# KiCad board sbc.kicad_pcb (continued)
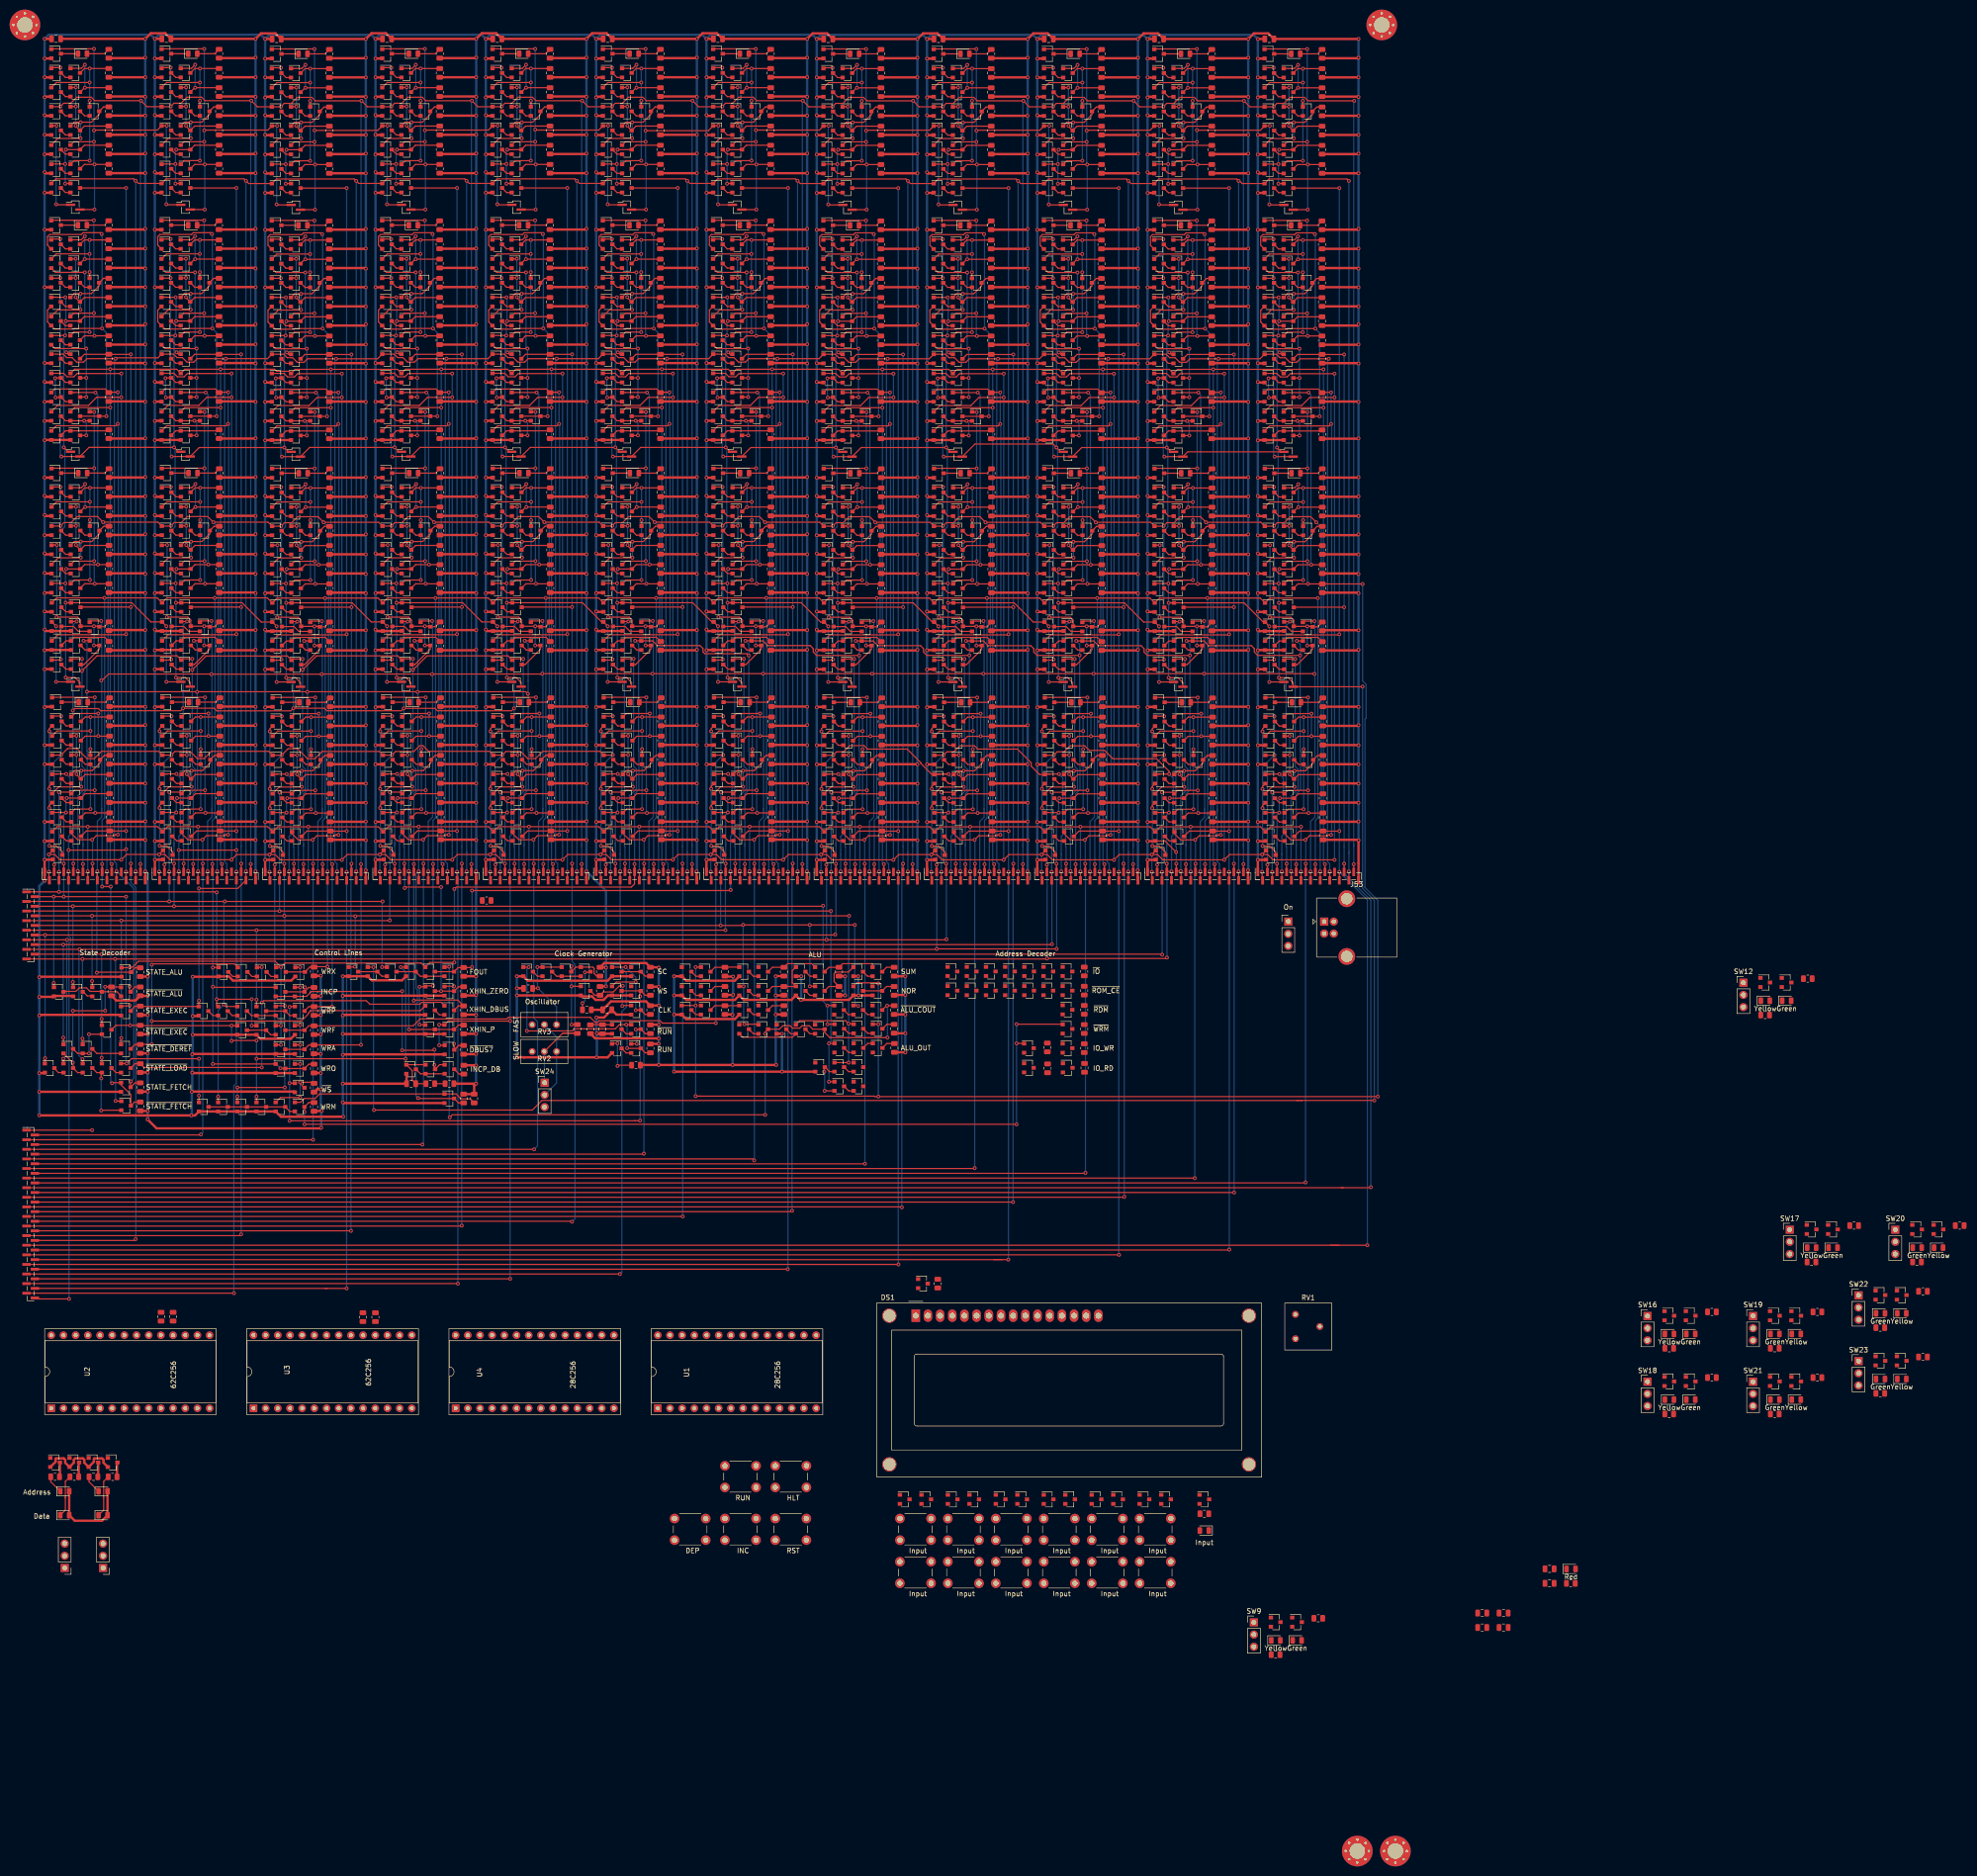
[diagram p0: board, top side]
## Routing (per net, layer and track width the routed paths; a pad name or vN(x,y) marks a point on that pad's centre or on a via; arc(x,y) is an arc through that point) (continued)
/Bit 5/P Register/P DFF/SET: length 43.7
  Top w0.25: v1(150.85,313.35) 144.32,313.35 Q671.2 ; v1(150.85,307.25) Q660.3 ; Q661.3 v1(150.85,303.25) ; v1(150.53,329.24) 144.43,329.24 Q672.2
  Bottom w0.25: v1(150.85,303.25) v1(150.85,307.25) v1(150.85,313.35) 150.53,313.66 v1(150.53,329.24)
/Bit 5/S Register/State FF/CLR: length 31.8
  Top w0.25: v1(143.13,221.54) 143.13,222.07 Q698.2 ; Q352.3 145.85,208.4 144.6,209.65 v1(143.15,209.65) ; v1(143.13,217.54) 143.13,218.07 Q692.2 ; Q693.2 143.13,234.07 v1(143.13,233.54)
  Bottom w0.25: v1(143.13,233.54) v1(143.13,221.54) v1(143.13,217.54) 143.15,217.52 v1(143.15,209.65)
/Bit 5/X Register/X DFF/D: length 40.4
  Top w0.25: v1(152.45,251.45) Q634.3 153.55,250.65 150.35,247.45 Q636.3 ; R268.2 154.59,255.35 Q637.3 153.45,255.45 v1(152.45,255.45) Q638.3 149.65,256.72 149.02,257.35 v1(144.65,257.35) ; Q657.1 143.65,272.38 v1(144.7,272.38)
  Bottom w0.25: 144.6,272.29 v1(144.7,272.38) 144.7,257.39 v1(144.65,257.35) ; v1(152.45,251.45) v1(152.45,255.45)
/Bit 5/XOUT: length 57.4
  Top w0.25: v1(152.5,288.38) 152.47,288.41 143.68,288.41 Q648.1 ; v1(152.5,300.15) 151.6,300.15 Q663.1 ; R270.2 v1(152.61,264.3) 150.51,264.3 Q644.3 ; Q649.1 148.29,269.02 v1(152.5,269.02)
  Bottom w0.25: v1(152.5,300.15) 152.5,288.95 v1(152.5,288.38) v1(152.5,269.02) 152.5,264.41 v1(152.61,264.3)
/Bit 5/~{XIN}: length 118.2
  Top w0.25: Q578.1 v1(129.75,304.2) ; v1(144.55,243.85) J27.1 ; v1(123.55,260.35) 139.28,260.35 143.28,256.35 143.65,256.35 Q642.1 v1(144.55,255.45) ; J23.2 126.53,243.71 125.49,244.75 v1(123.55,244.75) ; v1(123.65,267.38) Q566.3 127.51,268.3 v1(130.3,268.3) R239.2 ; v1(123.5,264.38) 120.65,264.38 Q563.1
  Bottom w0.25: v1(129.75,304.2) 130.23,303.72 130.23,268.37 v1(130.3,268.3) ; v1(123.65,267.38) 123.5,267.23 v1(123.5,264.38) 123.5,260.39 v1(123.55,260.35) v1(123.55,244.75) ; v1(144.55,255.45) v1(144.55,243.85)
/Bit 6/A Register/A DFF/~{Q}: length 20.5
  Top w0.25: v1(123.45,351.85) 120.6,351.85 Q539.1 ; Q535.1 123.5,347.8 v1(123.45,347.75) ; R230.2 127.46,355.76 Q542.3 v1(123.6,354.85)
  Bottom w0.25: v1(123.6,354.85) 123.45,354.69 v1(123.45,351.85) v1(123.45,347.75)
/Bit 6/AIN: length 92.2
  Top w0.25: Q454.3 104.44,351.76 v1(106.54,351.76) R193.2 ; v1(106.43,375.85) 106.4,375.87 97.6,375.87 Q458.1 ; Q459.1 102.21,356.48 v1(106.43,356.48) ; v1(106.53,342.35) J18.2 ; v1(121.55,343.45) 121.65,343.35 J22.1 ; v1(121.65,359.85) 120.6,359.85 Q550.1 119.67,358.92 106.53,358.92 v1(106.43,359.03)
  Bottom w0.25: v1(106.53,342.35) 106.54,342.36 v1(106.54,351.76) 106.43,351.87 v1(106.43,356.48) v1(106.43,359.03) v1(106.43,375.85) ; v1(121.55,343.45) 121.55,359.75 v1(121.65,359.85)
/Bit 6/INCP_CLK: length 173.3
  Top w0.25: Q597.1 122.38,328.04 v1(122.43,328.09) ; Q641.1 145.4,248.4 v1(145.55,248.55) ; J28.1 147.06,291.85 v1(146.16,292.75) 128.43,292.75 J24.2 v1(122.65,290.85) ; 144.63,324.09 143.58,324.09 Q682.1 143.53,324.05 v1(146.48,324.05) ; Q671.1 143.58,316.09 v1(146.43,316.09) ; Q658.1 147.06,312.2 v1(146.68,312.57) ; v1(122.43,336.19) 120.68,336.19 Q594.1 ; R282.2 150.44,320 Q674.3 v1(146.58,319.09)
  Bottom w0.25: 146.16,314.75 v1(146.16,292.75) 146.38,292.52 146.38,276.19 145.55,275.36 v1(145.55,248.55) ; 146.16,314.75 146.16,315.82 v1(146.43,316.09) 146.43,318.94 v1(146.58,319.09) 146.58,323.94 v1(146.48,324.05) ; 146.16,314.75 146.16,313.1 v1(146.68,312.57) ; v1(122.65,290.85) 122.43,291.07 v1(122.43,328.09) v1(122.43,336.19)
/Bit 6/P Register/P DFF/CLR: length 74.2
  Top w0.25: Q599.2 119.75,321.36 119.75,318.92 Q593.2 121.26,317.41 125.24,317.41 125.37,317.55 v1(131.15,317.55) ; v1(132.05,299.25) Q580.3 Q579.3 ; Q594.2 119.75,334.92 119.75,336.7 120.19,337.14 126.8,337.14 127.18,337.52 130.78,337.52 v1(131.05,337.25)
  Bottom w0.25: v1(131.05,337.25) 131.15,337.15 v1(131.15,317.55) 132.05,316.65 v1(132.05,299.25)
/Bit 6/P Register/P DFF/Q: length 44.6
  Top w0.25: Q591.1 125.22,320.73 v1(129.43,320.73) ; Q590.1 120.61,340.12 129.4,340.12 v1(129.43,340.09) ; R245.2 v1(129.54,316) 127.44,316 Q586.3
  Bottom w0.25: v1(129.54,316) 129.43,316.12 v1(129.43,320.73) v1(129.43,340.09)
/Bit 6/P Register/P DFF/SET: length 43.7
  Top w0.25: v1(127.85,313.35) 121.32,313.35 Q588.2 ; v1(127.53,329.24) 121.43,329.24 Q589.2 ; v1(127.85,307.25) Q577.3 ; Q578.3 v1(127.85,303.25)
  Bottom w0.25: v1(127.85,303.25) v1(127.85,307.25) v1(127.85,313.35) 127.53,313.66 v1(127.53,329.24)
/Bit 6/S Register/State FF/CLR: length 31.8
  Top w0.25: v1(120.13,233.54) 120.13,234.07 Q610.2 ; v1(120.13,221.54) 120.13,222.07 Q615.2 ; v1(120.13,217.54) 120.13,218.07 Q609.2 ; Q351.3 122.85,208.4 121.6,209.65 v1(120.15,209.65)
  Bottom w0.25: v1(120.15,209.65) 120.15,217.52 v1(120.13,217.54) v1(120.13,221.54) v1(120.13,233.54)
/Bit 6/SOUT: length 65.7
  Top w0.25: Q606.1 120.79,240.63 129.58,240.63 v1(129.61,240.61) ; v1(122.15,220.85) 124.42,220.85 Q607.1 125.4,221.24 v1(129.61,221.24) ; R252.2 v1(129.72,216.52) 127.62,216.52 Q602.3 ; v1(122.15,204.25) J21.4
  Bottom w0.25: v1(122.15,220.85) v1(122.15,204.25) ; v1(129.61,240.61) v1(129.61,221.24) 129.61,216.63 v1(129.72,216.52)
/Bit 6/X Register/X DFF/D: length 40.4
  Top w0.25: v1(129.45,251.45) Q551.3 130.55,250.65 127.35,247.45 Q553.3 ; Q574.1 120.65,272.38 v1(121.7,272.38) ; R234.2 131.59,255.35 Q554.3 130.45,255.45 v1(129.45,255.45) Q555.3 126.65,256.72 126.02,257.35 v1(121.65,257.35)
  Bottom w0.25: v1(129.45,251.45) v1(129.45,255.45) ; v1(121.65,257.35) 121.7,257.39 v1(121.7,272.38) 121.6,272.29
/Bit 6/XOUT: length 57.4
  Top w0.25: Q566.1 125.29,269.02 v1(129.5,269.02) ; Q565.1 120.68,288.41 129.47,288.41 v1(129.5,288.38) ; R236.2 v1(129.61,264.3) 127.51,264.3 Q561.3 ; v1(129.5,300.15) 128.6,300.15 Q580.1
  Bottom w0.25: v1(129.5,300.15) 129.5,288.95 v1(129.5,288.38) v1(129.5,269.02) 129.5,264.41 v1(129.61,264.3)
/Bit 6/~{SOUT}: length 28.6
  Top w0.25: v1(123.76,219.61) Q607.3 127.62,220.52 R255.2 ; J21.5 v1(123.15,205.95) ; v1(123.61,216.61) 120.76,216.61 Q604.1
  Bottom w0.25: 123.15,209.55 123.15,210.25 ; 123.15,210.25 v1(123.15,205.95) ; 123.15,210.25 123.15,216.14 v1(123.61,216.61) 123.61,219.45 v1(123.76,219.61)
/Bit 6/~{XIN}: length 118.2
  Top w0.25: Q480.1 97.62,264.38 v1(100.47,264.38) ; v1(100.63,267.38) Q483.3 104.49,268.3 v1(107.27,268.3) R205.2 ; v1(100.53,260.35) 116.28,260.35 120.28,256.35 120.65,256.35 Q559.1 v1(121.55,255.45) ; v1(106.72,304.2) Q495.1 ; v1(100.53,244.75) 102.46,244.75 103.5,243.71 J19.2 ; v1(121.55,243.85) J23.1
  Bottom w0.25: v1(100.63,267.38) 100.47,267.23 v1(100.47,264.38) 100.47,260.39 v1(100.53,260.35) v1(100.53,244.75) ; v1(107.27,268.3) 107.2,268.37 107.2,303.72 v1(106.72,304.2) ; v1(121.55,255.45) v1(121.55,243.85)
/Bit 7/A Register/A DFF/~{Q}: length 20.5
  Top w0.25: R196.2 104.44,355.76 Q459.3 v1(100.58,354.85) ; v1(100.43,347.75) 100.47,347.8 Q452.1 ; Q456.1 97.57,351.85 v1(100.43,351.85)
  Bottom w0.25: v1(100.43,347.75) v1(100.43,351.85) 100.43,354.69 v1(100.58,354.85)
/Bit 7/AIN: length 92.2
  Top w0.25: v1(98.53,343.45) 98.62,343.35 J18.1 ; v1(98.62,359.85) 97.57,359.85 Q467.1 96.65,358.92 83.47,358.92 v1(83.42,358.88) ; Q371.3 81.44,351.76 v1(83.54,351.76) R159.2 ; v1(83.42,375.85) 83.4,375.87 74.6,375.87 Q375.1 ; Q376.1 79.21,356.48 v1(83.42,356.48) ; v1(83.53,342.35) J14.2
  Bottom w0.25: v1(98.62,359.85) 98.53,359.75 v1(98.53,343.45) ; v1(83.53,342.35) 83.54,342.36 v1(83.54,351.76) 83.42,351.87 v1(83.42,356.48) v1(83.42,358.88) v1(83.42,375.85)
/Bit 7/INCP_CLK: length 173.3
  Top w0.25: v1(99.41,328.09) 99.35,328.04 Q514.1 ; Q511.1 97.66,336.19 v1(99.41,336.19) ; v1(99.62,290.85) J20.2 105.4,292.75 v1(123.16,292.75) 124.06,291.85 J24.1 ; v1(123.68,312.57) 124.06,312.2 Q575.1 ; v1(123.43,316.09) 120.58,316.09 Q588.1 ; R248.2 127.44,320 Q591.3 v1(123.58,319.09) ; Q558.1 122.4,248.4 v1(122.55,248.55) ; v1(123.48,324.05) 120.53,324.05 Q599.1 120.58,324.09 121.63,324.09
  Bottom w0.25: v1(99.41,336.19) v1(99.41,328.09) 99.41,291.07 v1(99.62,290.85) ; v1(122.55,248.55) 122.55,275.36 123.38,276.19 123.38,292.52 v1(123.16,292.75) 123.16,314.75 ; v1(123.48,324.05) 123.58,323.94 v1(123.58,319.09) 123.43,318.94 v1(123.43,316.09) 123.16,315.82 123.16,314.75 ; 123.16,314.75 123.16,313.1 v1(123.68,312.57)
/Bit 7/P Register/P DFF/CLR: length 74.2
  Top w0.25: Q496.3 Q497.3 v1(109.03,299.25) ; v1(108.12,317.55) 102.35,317.55 102.22,317.41 98.23,317.41 Q510.2 96.73,318.92 96.73,321.36 Q516.2 ; Q511.2 96.73,334.92 96.73,336.7 97.17,337.14 103.78,337.14 104.16,337.52 107.75,337.52 v1(108.03,337.25)
  Bottom w0.25: v1(109.03,299.25) 109.03,316.65 v1(108.12,317.55) 108.12,337.15 v1(108.03,337.25)
/Bit 7/P Register/P DFF/Q: length 44.6
  Top w0.25: Q503.3 104.42,316 v1(106.52,316) R211.2 ; v1(106.41,340.09) 106.38,340.12 97.58,340.12 Q507.1 ; Q508.1 102.19,320.73 v1(106.41,320.73)
  Bottom w0.25: v1(106.41,340.09) v1(106.41,320.73) 106.41,316.12 v1(106.52,316)
/Bit 7/P Register/P DFF/SET: length 43.7
  Top w0.25: Q495.3 v1(104.82,303.25) ; v1(104.82,307.25) Q494.3 ; Q505.2 98.3,313.35 v1(104.82,313.35) ; Q506.2 98.41,329.24 v1(104.51,329.24)
  Bottom w0.25: v1(104.82,303.25) v1(104.82,307.25) v1(104.82,313.35) 104.51,313.66 v1(104.51,329.24)
/Bit 7/S Register/State FF/CLR: length 31.8
  Top w0.25: Q526.2 97.1,218.07 v1(97.1,217.54) ; Q532.2 97.1,222.07 v1(97.1,221.54) ; Q527.2 97.1,234.07 v1(97.1,233.54) ; v1(97.12,209.65) 98.57,209.65 99.82,208.4 Q153.3
  Bottom w0.25: v1(97.1,233.54) v1(97.1,221.54) v1(97.1,217.54) 97.12,217.52 v1(97.12,209.65)
/Bit 7/SOUT: length 65.7
  Top w0.25: Q519.3 104.6,216.52 v1(106.7,216.52) R218.2 ; v1(106.59,240.61) 106.56,240.63 97.76,240.63 Q523.1 ; v1(106.59,221.24) 102.37,221.24 Q524.1 101.4,220.85 v1(99.12,220.85) ; v1(99.12,204.25) J17.4
  Bottom w0.25: v1(106.59,240.61) v1(106.59,221.24) 106.59,216.63 v1(106.7,216.52) ; v1(99.12,220.85) v1(99.12,204.25)
/Bit 7/X Register/X DFF/D: length 40.4
  Top w0.25: Q491.1 97.62,272.38 v1(98.68,272.38) ; R200.2 108.56,255.35 Q471.3 107.43,255.45 v1(106.43,255.45) Q472.3 103.62,256.72 103,257.35 v1(98.62,257.35) ; Q470.3 104.33,247.45 107.53,250.65 Q468.3 v1(106.43,251.45)
  Bottom w0.25: 98.57,272.29 v1(98.68,272.38) 98.68,257.39 v1(98.62,257.35) ; v1(106.43,251.45) v1(106.43,255.45)
/Bit 7/XOUT: length 57.4
  Top w0.25: Q478.3 104.49,264.3 v1(106.59,264.3) R202.2 ; v1(106.47,288.38) 106.45,288.41 97.65,288.41 Q482.1 ; Q483.1 102.26,269.02 v1(106.47,269.02) ; Q497.1 105.57,300.15 v1(106.48,300.15)
  Bottom w0.25: v1(106.59,264.3) 106.47,264.41 v1(106.47,269.02) v1(106.47,288.38) 106.48,288.95 v1(106.48,300.15)
/Bit 7/~{SOUT}: length 28.6
  Top w0.25: R221.2 104.6,220.52 Q524.3 v1(100.74,219.61) ; Q521.1 97.74,216.61 v1(100.59,216.61) ; J17.5 v1(100.12,205.95)
  Bottom w0.25: v1(100.74,219.61) 100.59,219.45 v1(100.59,216.61) 100.12,216.14 100.12,210.25 ; 100.12,210.25 v1(100.12,205.95) ; 100.12,210.25 100.12,209.55
/Bit 7/~{XIN}: length 118.2
  Top w0.25: v1(98.53,255.45) Q476.1 97.63,256.35 95.3,256.35 91.3,260.35 v1(77.53,260.35) ; v1(98.53,243.85) J19.1 ; Q397.1 74.62,264.38 v1(77.47,264.38) ; v1(77.63,267.38) Q400.3 81.49,268.3 v1(84.27,268.3) R171.2 ; v1(83.72,304.2) Q412.1 ; v1(77.53,244.75) 79.46,244.75 80.5,243.71 J15.2
  Bottom w0.25: v1(98.53,255.45) v1(98.53,243.85) ; v1(77.63,267.38) 77.47,267.23 v1(77.47,264.38) 77.47,260.39 v1(77.53,260.35) v1(77.53,244.75) ; v1(84.27,268.3) 84.2,268.37 84.2,303.72 v1(83.72,304.2)
/Bit 8/A Register/A DFF/~{Q}: length 20.5
  Top w0.25: R162.2 81.44,355.76 Q376.3 v1(77.58,354.85) ; v1(77.42,347.75) 77.47,347.8 Q369.1 ; Q373.1 74.58,351.85 v1(77.42,351.85)
  Bottom w0.25: v1(77.42,347.75) v1(77.42,351.85) 77.42,354.69 v1(77.58,354.85)
/Bit 8/AIN: length 92.2
  Top w0.25: v1(75.53,343.45) 75.62,343.35 J14.1 ; v1(75.62,359.85) 74.58,359.85 Q384.1 73.58,358.85 v1(60.4,358.85) ; Q288.3 58.41,351.73 v1(60.51,351.73) R125.2 ; v1(60.4,375.82) 60.37,375.85 51.58,375.85 Q292.1 ; Q293.1 56.19,356.46 v1(60.4,356.46) ; v1(60.5,342.32) J10.2
  Bottom w0.25: v1(75.62,359.85) 75.53,359.75 v1(75.53,343.45) ; v1(60.5,342.32) 60.51,342.33 v1(60.51,351.73) 60.4,351.85 v1(60.4,356.46) v1(60.4,358.85) v1(60.4,375.82)
/Bit 8/INCP_CLK: length 173.3
  Top w0.25: R214.2 104.42,320 Q508.3 v1(100.56,319.09) ; Q505.1 97.56,316.09 v1(100.41,316.09) ; 98.6,324.09 97.56,324.09 Q516.1 97.51,324.05 v1(100.45,324.05) ; J20.1 101.03,291.85 v1(100.13,292.75) 82.4,292.75 J16.2 v1(76.62,290.85) ; v1(100.66,312.57) 101.04,312.2 Q492.1 ; v1(99.53,248.55) 99.38,248.4 Q475.1 ; v1(76.41,328.09) 76.35,328.04 Q431.1 ; Q428.1 74.66,336.19 v1(76.41,336.19)
  Bottom w0.25: v1(100.45,324.05) 100.56,323.94 v1(100.56,319.09) 100.41,318.94 v1(100.41,316.09) 100.13,315.82 100.13,314.75 ; 100.13,314.75 100.13,313.1 v1(100.66,312.57) ; 100.13,314.75 v1(100.13,292.75) 100.35,292.52 100.35,276.19 99.53,275.36 v1(99.53,248.55) ; v1(76.41,336.19) v1(76.41,328.09) 76.41,291.07 v1(76.62,290.85)
/Bit 8/P Register/P DFF/CLR: length 74.2
  Top w0.25: Q413.3 Q414.3 v1(86.03,299.25) ; v1(85.12,317.55) 79.35,317.55 79.22,317.41 75.23,317.41 Q427.2 73.73,318.92 73.73,321.36 Q433.2 ; Q428.2 73.73,334.92 73.73,336.7 74.17,337.14 80.78,337.14 81.16,337.52 84.75,337.52 v1(85.03,337.25)
  Bottom w0.25: v1(86.03,299.25) 86.03,316.65 v1(85.12,317.55) 85.12,337.15 v1(85.03,337.25)
/Bit 8/P Register/P DFF/Q: length 44.6
  Top w0.25: Q420.3 81.42,316 v1(83.52,316) R177.2 ; v1(83.41,340.09) 83.38,340.12 74.58,340.12 Q424.1 ; Q425.1 79.19,320.73 v1(83.41,320.73)
  Bottom w0.25: v1(83.41,340.09) v1(83.41,320.73) 83.41,316.12 v1(83.52,316)
/Bit 8/P Register/P DFF/SET: length 43.7
  Top w0.25: Q412.3 v1(81.83,303.25) ; v1(81.83,307.25) Q411.3 ; Q422.2 75.3,313.35 v1(81.83,313.35) ; Q423.2 75.41,329.24 v1(81.51,329.24)
  Bottom w0.25: v1(81.83,303.25) v1(81.83,307.25) v1(81.83,313.35) 81.51,313.66 v1(81.51,329.24)
/Bit 8/S Register/State FF/CLR: length 31.8
  Top w0.25: Q443.2 74.1,218.07 v1(74.1,217.54) ; Q449.2 74.1,222.07 v1(74.1,221.54) ; Q444.2 74.1,234.07 v1(74.1,233.54) ; v1(74.12,209.65) 75.58,209.65 76.83,208.4 Q152.3
  Bottom w0.25: v1(74.1,233.54) v1(74.1,221.54) v1(74.1,217.54) 74.12,217.52 v1(74.12,209.65)
/Bit 8/X Register/X DFF/D: length 40.4
  Top w0.25: Q408.1 74.62,272.38 v1(75.67,272.38) ; R166.2 85.56,255.35 Q388.3 84.42,255.45 v1(83.42,255.45) Q389.3 80.62,256.72 80,257.35 v1(75.62,257.35) ; Q387.3 81.33,247.45 84.53,250.65 Q385.3 v1(83.42,251.45)
  Bottom w0.25: 75.58,272.29 v1(75.67,272.38) 75.67,257.39 v1(75.62,257.35) ; v1(83.42,251.45) v1(83.42,255.45)
/Bit 8/XOUT: length 57.4
  Top w0.25: Q395.3 81.49,264.3 v1(83.59,264.3) R168.2 ; v1(83.47,288.38) 83.45,288.41 74.65,288.41 Q399.1 ; Q400.1 79.26,269.02 v1(83.47,269.02) ; Q414.1 82.58,300.15 v1(83.48,300.15)
  Bottom w0.25: v1(83.59,264.3) 83.47,264.41 v1(83.47,269.02) v1(83.47,288.38) 83.48,288.95 v1(83.48,300.15)
/Bit 8/~{SOUT}: length 28.6
  Top w0.25: R187.2 81.6,220.52 Q441.3 v1(77.74,219.61) ; Q438.1 74.74,216.61 v1(77.59,216.61) ; J13.5 v1(77.12,205.95)
  Bottom w0.25: v1(77.74,219.61) 77.59,219.45 v1(77.59,216.61) 77.12,216.14 77.12,210.25 ; 77.12,210.25 v1(77.12,205.95) ; 77.12,210.25 77.12,209.55
/Bit 8/~{XIN}: length 118.2
  Top w0.25: v1(75.53,255.45) Q393.1 74.63,256.35 72.25,256.35 68.27,260.32 Q303.1 v1(54.5,260.32) ; v1(75.53,243.85) J15.1 ; Q314.1 51.6,264.36 v1(54.45,264.36) ; v1(54.6,267.36) Q317.3 58.46,268.27 v1(61.25,268.27) R137.2 ; v1(60.7,304.17) Q329.1 ; v1(54.5,244.72) 56.44,244.72 57.48,243.68 J11.2
  Bottom w0.25: v1(75.53,255.45) v1(75.53,243.85) ; v1(54.6,267.36) 54.45,267.21 v1(54.45,264.36) 54.45,260.37 v1(54.5,260.32) v1(54.5,244.72) ; v1(61.25,268.27) 61.18,268.34 61.18,303.7 v1(60.7,304.17)
/Bit 9/A Register/A DFF/~{Q}: length 20.5
  Top w0.25: R128.2 58.41,355.73 Q293.3 v1(54.55,354.82) ; v1(54.4,347.72) 54.45,347.77 Q286.1 ; Q290.1 51.55,351.82 v1(54.4,351.82)
  Bottom w0.25: v1(54.4,347.72) v1(54.4,351.82) 54.4,354.67 v1(54.55,354.82)
/Bit 9/AIN: length 92.2
  Top w0.25: Q89.3 35.41,351.76 v1(37.51,351.76) R38.2 ; v1(37.4,375.85) 37.37,375.88 28.58,375.88 Q93.1 ; Q94.1 33.19,356.49 v1(37.4,356.49) ; v1(37.5,342.35) J6.2 ; v1(52.5,343.42) 52.6,343.32 J10.1 ; v1(52.6,359.82) 51.55,359.82 Q301.1 50.65,358.92 37.47,358.92 v1(37.4,358.85)
  Bottom w0.25: v1(37.5,342.35) 37.51,342.36 v1(37.51,351.76) 37.4,351.88 v1(37.4,356.49) v1(37.4,358.85) v1(37.4,375.85) ; v1(52.6,359.82) 52.5,359.72 v1(52.5,343.42)
/Bit 9/INCP_CLK: length 173.3
  Top w0.25: R180.2 81.42,320 Q425.3 v1(77.56,319.09) ; Q422.1 74.56,316.09 v1(77.41,316.09) ; 75.61,324.09 74.56,324.09 Q433.1 74.51,324.05 v1(77.45,324.05) ; J16.1 78.03,291.85 v1(77.13,292.75) 59.4,292.75 J12.2 v1(53.6,290.82) ; v1(77.66,312.57) 78.04,312.2 Q409.1 ; v1(76.53,248.55) 76.38,248.4 Q392.1 ; v1(53.38,328.07) 53.33,328.02 Q348.1 ; Q345.1 51.63,336.17 v1(53.38,336.17)
  Bottom w0.25: v1(77.45,324.05) 77.56,323.94 v1(77.56,319.09) 77.41,318.94 v1(77.41,316.09) 77.13,315.82 77.13,314.75 ; 77.13,314.75 77.13,313.1 v1(77.66,312.57) ; 77.13,314.75 v1(77.13,292.75) 77.35,292.52 77.35,276.19 76.53,275.36 v1(76.53,248.55) ; v1(53.38,336.17) v1(53.38,328.07) 53.38,291.04 v1(53.6,290.82)
/Bit 9/P Register/P DFF/CLR: length 74.2
  Top w0.25: Q330.3 Q331.3 v1(63,299.22) ; v1(62.1,317.52) 56.32,317.52 56.19,317.39 52.21,317.39 Q344.2 50.7,318.89 50.7,321.34 Q350.2 ; Q345.2 50.7,334.89 50.7,336.68 51.14,337.11 57.75,337.11 58.13,337.49 61.73,337.49 v1(62,337.22)
  Bottom w0.25: v1(63,299.22) 63,316.62 v1(62.1,317.52) 62.1,337.12 v1(62,337.22)
/Bit 9/P Register/P DFF/Q: length 44.6
  Top w0.25: Q337.3 58.39,315.98 v1(60.49,315.98) R143.2 ; v1(60.38,340.07) 60.35,340.09 51.56,340.09 Q341.1 ; Q342.1 56.17,320.7 v1(60.38,320.7)
  Bottom w0.25: v1(60.38,340.07) v1(60.38,320.7) 60.38,316.09 v1(60.49,315.98)
/Bit 9/P Register/P DFF/SET: length 43.7
  Top w0.25: Q329.3 v1(58.8,303.22) ; v1(58.8,307.22) Q328.3 ; Q339.2 52.28,313.32 v1(58.8,313.32) ; Q340.2 52.38,329.21 v1(58.48,329.21)
  Bottom w0.25: v1(58.8,303.22) v1(58.8,307.22) v1(58.8,313.32) 58.48,313.64 v1(58.48,329.21)
/Bit 9/S Register/State FF/CLR: length 31.8
  Top w0.25: Q360.2 51.08,218.05 v1(51.08,217.52) ; Q366.2 51.08,222.05 v1(51.08,221.52) ; Q361.2 51.08,234.05 v1(51.08,233.52) ; v1(51.1,209.62) 52.55,209.62 53.8,208.37 Q71.3
  Bottom w0.25: v1(51.08,233.52) v1(51.08,221.52) v1(51.08,217.52) 51.1,217.49 v1(51.1,209.62)
/Bit 9/X Register/X DFF/D: length 40.4
  Top w0.25: Q325.1 51.6,272.36 v1(52.65,272.36) ; R132.2 62.54,255.32 Q305.3 61.4,255.42 v1(60.4,255.42) Q306.3 57.6,256.69 56.97,257.32 v1(52.6,257.32) ; Q304.3 58.3,247.42 61.5,250.62 Q302.3 v1(60.4,251.42)
  Bottom w0.25: 52.55,272.26 v1(52.65,272.36) 52.65,257.37 v1(52.6,257.32) ; v1(60.4,251.42) v1(60.4,255.42)
/Bit 9/XOUT: length 57.4
  Top w0.25: Q312.3 58.46,264.27 v1(60.56,264.27) R134.2 ; v1(60.45,288.36) 60.42,288.39 51.63,288.39 Q316.1 ; Q317.1 56.24,269 v1(60.45,269) ; Q331.1 59.55,300.12 v1(60.45,300.12)
  Bottom w0.25: v1(60.56,264.27) 60.45,264.38 v1(60.45,269) v1(60.45,288.36) 60.45,288.93 v1(60.45,300.12)
/Bit 9/~{XIN}: length 118.2
  Top w0.25: Q115.1 28.6,264.39 v1(31.45,264.39) ; v1(31.6,267.39) Q118.3 35.46,268.3 v1(38.25,268.3) R50.2 ; v1(31.5,260.35) Q104.1 45.27,260.35 49.3,256.32 Q310.1 v1(52.5,255.42) ; v1(37.7,304.2) Q130.1 ; v1(31.5,244.75) 33.44,244.75 34.48,243.71 J7.2 ; v1(52.5,243.82) J11.1
  Bottom w0.25: v1(31.6,267.39) 31.45,267.24 v1(31.45,264.39) 31.45,260.4 v1(31.5,260.35) v1(31.5,244.75) ; v1(38.25,268.3) 38.18,268.37 38.18,303.73 v1(37.7,304.2) ; v1(52.5,255.42) v1(52.5,243.82)
/Bit 10/A Register/A DFF/~{Q}: length 20.5
  Top w0.25: R41.2 35.41,355.76 Q94.3 v1(31.55,354.85) ; v1(31.4,347.75) 31.45,347.8 Q87.1 ; Q91.1 28.55,351.85 v1(31.4,351.85)
  Bottom w0.25: v1(31.4,347.75) v1(31.4,351.85) 31.4,354.7 v1(31.55,354.85)
/Bit 10/AIN: length 92.2
  Top w0.25: v1(29.5,343.45) 29.6,343.35 J6.1 ; v1(29.6,359.85) 28.55,359.85 Q102.1 27.62,358.92 14.47,358.92 v1(14.4,358.85) ; v1(14.4,375.85) 14.37,375.88 5.58,375.88 Q4.1 ; v1(14.5,342.35) J2.2 ; v1(14.4,356.49) 10.19,356.49 Q11.1 ; Q7.3 12.41,351.76 v1(14.51,351.76) R5.2
  Bottom w0.25: v1(29.6,359.85) 29.5,359.75 v1(29.5,343.45) ; v1(14.5,342.35) 14.51,342.36 v1(14.51,351.76) 14.4,351.88 v1(14.4,356.49) v1(14.4,358.85) v1(14.4,375.85)
/Bit 10/INCP_CLK: length 173.2
  Top w0.25: v1(30.38,328.1) 30.33,328.05 Q149.1 ; Q146.1 28.63,336.2 v1(30.38,336.2) ; v1(30.6,290.85) J8.2 36.34,292.72 v1(54.11,292.72) 55,291.82 J12.1 ; R146.2 58.39,319.98 Q342.3 v1(54.53,319.07) ; Q339.1 51.53,316.07 v1(54.38,316.07) ; 52.58,324.07 51.53,324.07 Q350.1 51.48,324.02 v1(54.43,324.02) ; v1(54.63,312.55) 55.01,312.17 Q326.1 ; v1(53.5,248.52) 53.35,248.37 Q309.1
  Bottom w0.25: v1(30.38,336.2) v1(30.38,328.1) 30.38,291.07 v1(30.6,290.85) ; v1(54.43,324.02) 54.53,323.92 v1(54.53,319.07) 54.38,318.91 v1(54.38,316.07) 54.11,315.79 54.11,314.73 ; 54.11,314.73 54.11,313.08 v1(54.63,312.55) ; 54.11,314.73 v1(54.11,292.72) 54.33,292.5 54.33,276.16 53.5,275.34 v1(53.5,248.52)
/Bit 10/P Register/P DFF/CLR: length 74.2
  Top w0.25: Q131.3 Q132.3 v1(40,299.25) ; v1(39.1,317.55) 33.32,317.55 33.19,317.42 29.21,317.42 Q145.2 27.7,318.92 27.7,321.37 Q151.2 ; Q146.2 27.7,334.92 27.7,336.71 28.14,337.14 34.75,337.14 35.13,337.52 38.73,337.52 v1(39,337.25)
  Bottom w0.25: v1(40,299.25) 40,316.65 v1(39.1,317.55) 39.1,337.15 v1(39,337.25)
/Bit 10/P Register/P DFF/Q: length 44.6
  Top w0.25: Q138.3 35.39,316.01 v1(37.49,316.01) R56.2 ; v1(37.38,340.1) 37.35,340.12 28.56,340.12 28.48,340.05 ; Q143.1 33.17,320.73 v1(37.38,320.73)
  Bottom w0.25: v1(37.38,340.1) v1(37.38,320.73) 37.38,316.12 v1(37.49,316.01)
/Bit 10/P Register/P DFF/SET: length 43.7
  Top w0.25: Q130.3 v1(35.8,303.25) ; v1(35.8,307.25) Q129.3 ; Q140.2 29.28,313.35 v1(35.8,313.35) ; Q141.2 29.38,329.24 v1(35.48,329.24)
  Bottom w0.25: v1(35.8,303.25) v1(35.8,307.25) v1(35.8,313.35) 35.48,313.67 v1(35.48,329.24)
/Bit 10/S Register/State FF/CLR: length 31.8
  Top w0.25: Q161.2 28.08,218.08 v1(28.08,217.55) ; Q167.2 28.08,222.08 v1(28.08,221.55) ; Q162.2 28.08,234.08 v1(28.08,233.55) ; v1(28.1,209.65) 29.55,209.65 30.8,208.4 Q70.3
  Bottom w0.25: v1(28.08,233.55) v1(28.08,221.55) v1(28.08,217.55) 28.1,217.52 v1(28.1,209.65)
/Bit 10/X Register/X DFF/D: length 40.4
  Top w0.25: Q126.1 28.6,272.39 v1(29.65,272.39) ; R45.2 39.54,255.35 Q106.3 38.4,255.45 v1(37.4,255.45) Q107.3 34.6,256.72 33.97,257.35 v1(29.6,257.35) ; Q105.3 35.3,247.45 38.5,250.65 Q103.3 v1(37.4,251.45)
  Bottom w0.25: 29.55,272.29 v1(29.65,272.39) 29.65,257.4 v1(29.6,257.35) ; v1(37.4,251.45) v1(37.4,255.45)
/Bit 10/XOUT: length 57.4
  Top w0.25: Q113.3 35.46,264.3 v1(37.56,264.3) R47.2 ; v1(37.45,288.39) 37.42,288.42 28.63,288.42 Q117.1 ; Q118.1 33.24,269.03 v1(37.45,269.03) ; Q132.1 36.55,300.15 v1(37.45,300.15)
  Bottom w0.25: v1(37.56,264.3) 37.45,264.42 v1(37.45,269.03) v1(37.45,288.39) 37.45,288.96 v1(37.45,300.15)
/Bit 10/~{XIN}: length 118.2
  Top w0.25: Q33.1 5.6,264.39 v1(8.45,264.39) ; v1(8.6,267.39) Q35.3 12.46,268.3 v1(15.25,268.3) R16.2 ; v1(29.5,255.45) Q111.1 26.27,256.35 22.27,260.35 Q22.1 v1(8.5,260.35) ; v1(29.5,243.85) J7.1 ; v1(8.5,244.75) 10.44,244.75 11.48,243.71 J3.2 ; v1(14.7,304.2) Q48.1
  Bottom w0.25: v1(8.6,267.39) 8.45,267.24 v1(8.45,264.39) 8.45,260.4 v1(8.5,260.35) v1(8.5,244.75) ; v1(29.5,255.45) v1(29.5,243.85) ; v1(14.7,304.2) 15.18,303.73 15.18,268.37 v1(15.25,268.3)
/Bit 11/A Register/A DFF/~{Q}: length 20.5
  Top w0.25: Q9.1 5.55,351.85 v1(8.4,351.85) ; Q5.1 8.45,347.8 v1(8.4,347.75) ; v1(8.55,354.85) Q11.3 12.41,355.76 R7.2
  Bottom w0.25: v1(8.55,354.85) 8.4,354.7 v1(8.4,351.85) v1(8.4,347.75)
/Bit 11/INCP_CLK: length 173.3
  Top w0.25: v1(7.38,328.1) 7.33,328.05 Q66.1 ; Q63.1 5.63,336.2 v1(7.38,336.2) ; R59.2 35.39,320.01 Q143.3 v1(31.53,319.1) ; Q140.1 28.53,316.1 v1(31.38,316.1) ; 29.58,324.1 28.53,324.1 Q151.1 28.48,324.05 v1(31.43,324.05) ; J8.1 32,291.85 v1(31.11,292.75) 13.38,292.75 J5.2 v1(7.6,290.85) ; v1(31.63,312.58) 32.01,312.2 Q127.1 ; v1(30.5,248.55) 30.35,248.4 Q110.1
  Bottom w0.25: v1(7.38,336.2) v1(7.38,328.1) 7.38,291.07 v1(7.6,290.85) ; v1(31.43,324.05) 31.53,323.95 v1(31.53,319.1) 31.38,318.94 v1(31.38,316.1) 31.11,315.82 31.11,314.75 ; 31.11,314.75 31.11,313.11 v1(31.63,312.58) ; 31.11,314.75 v1(31.11,292.75) 31.33,292.53 31.33,276.19 30.5,275.37 v1(30.5,248.55)
/Bit 11/P Register/P DFF/CLR: length 74.2
  Top w0.25: v1(16,337.25) 15.73,337.52 12.13,337.52 11.75,337.14 5.14,337.14 4.7,336.71 4.7,334.92 Q63.2 ; Q49.3 Q50.3 v1(17,299.25) ; Q68.2 4.7,321.37 4.7,318.92 Q62.2 6.21,317.42 10.19,317.42 10.32,317.55 v1(16.1,317.55)
  Bottom w0.25: v1(17,299.25) 17,316.65 v1(16.1,317.55) 16.1,337.15 v1(16,337.25)
/Bit 11/P Register/P DFF/Q: length 44.6
  Top w0.25: Q56.3 12.39,316.01 v1(14.49,316.01) R23.2 ; v1(14.38,340.1) 14.35,340.12 5.56,340.12 5.48,340.05 ; Q60.1 10.17,320.73 v1(14.38,320.73)
  Bottom w0.25: v1(14.38,340.1) v1(14.38,320.73) 14.38,316.12 v1(14.49,316.01)
/Bit 11/P Register/P DFF/SET: length 43.7
  Top w0.25: Q58.2 6.27,313.35 v1(12.8,313.35) ; Q59.2 6.38,329.24 v1(12.48,329.24) ; v1(12.8,307.25) Q47.3 ; Q48.3 v1(12.8,303.25)
  Bottom w0.25: v1(12.8,303.25) v1(12.8,307.25) v1(12.8,313.35) 12.48,313.67 v1(12.48,329.24)
/Bit 11/S Register/State FF/CLR: length 31.8
  Top w0.25: v1(5.08,233.55) 5.08,234.08 Q79.2 ; v1(5.08,221.55) 5.08,222.08 Q84.2 ; Q78.2 5.08,218.08 v1(5.08,217.55) ; Q1.3 7.8,208.4 6.55,209.65 v1(5.1,209.65)